# Allegro board pc051b_toplevel_177.brd (continued)
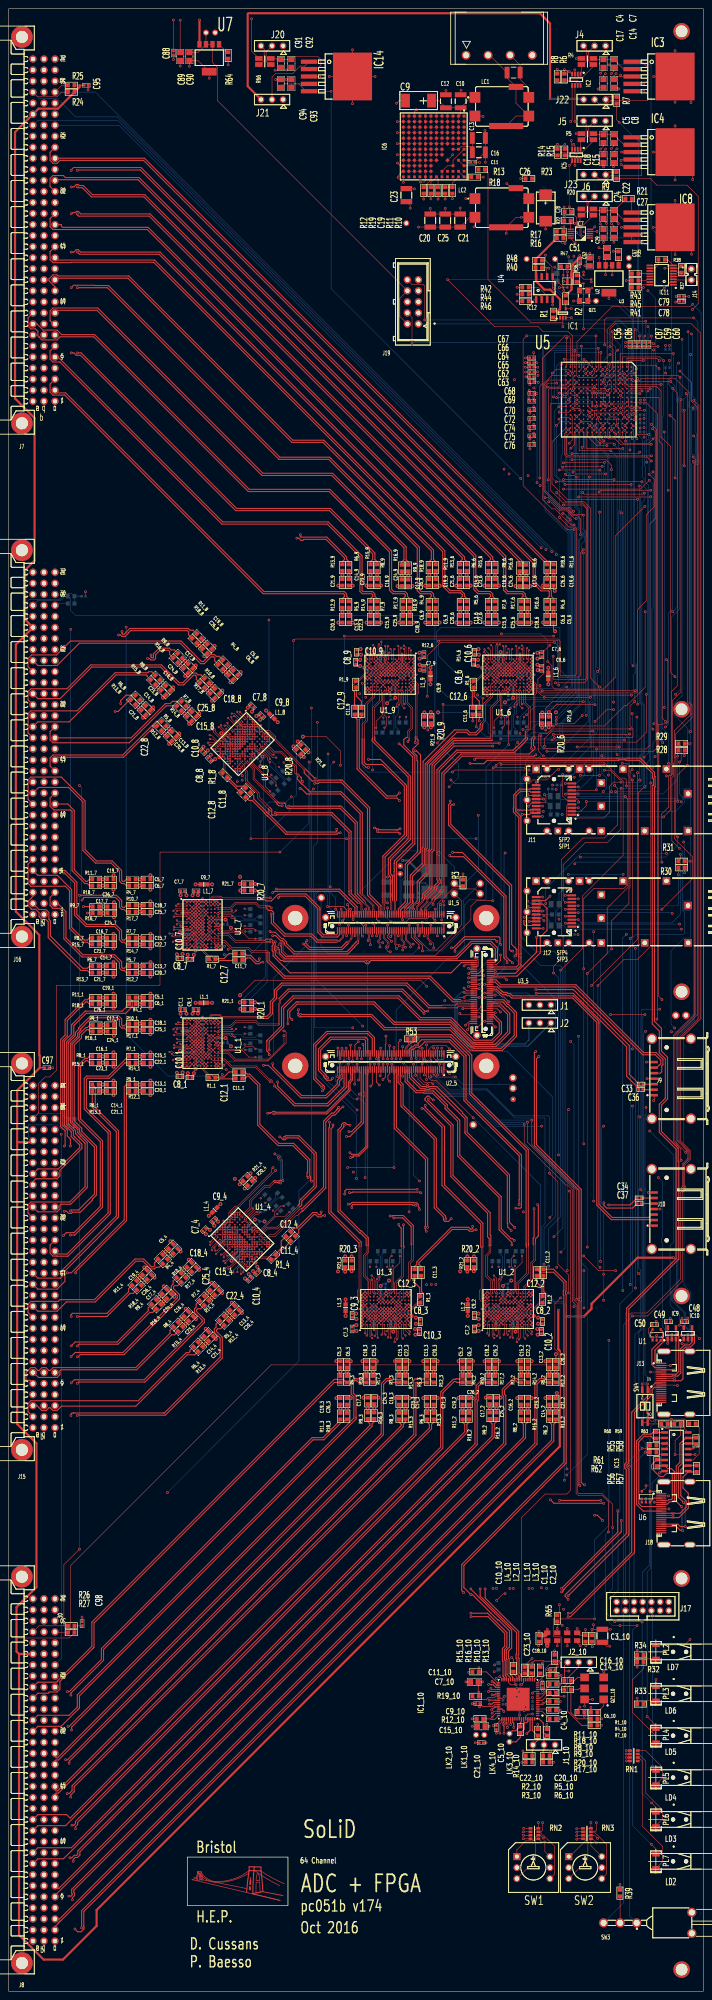
[diagram p0: board, top side]
## Routing (per net, layer and track width the routed paths; a pad name or vN(x,y) marks a point on that pad's centre or on a via; arc(x,y) is an arc through that point) (continued)
  L3 w0.13: 110.25,170.97 110.25,165.94 111.49,164.7 v2(111.75,164.7)
  L3 w0.25: v1(101.93,177.77) 102.1,177.6 102.13,177.6 102.18,177.55 102.18,177.45 102.43,177.2 104.68,177.2 110.08,171.8 110.25,171.8 110.37,171.68 110.37,171.09 110.25,170.97
OUT_P<59>: length 86.5
  TOP w0.13: U1_2.C10 111.45,163.1 111.43,163.12 111.43,163.51 110.25,164.69 110.25,169.2 111.05,170 111.05,171.6
  TOP w0.18: v1(90.25,214.57) U2_5.42
  TOP w0.25: v1(96.65,205.25) 96.65,205.02 102.35,199.32 102.35,187.7 110.9,179.15 110.9,174.05 111.05,173.9 111.05,171.6
  L3 w0.25: v1(90.25,214.57) 90.25,216.75 90.19,216.8 90.19,217.79 90.8,218.4 101.99,218.4 104.3,216.09 104.3,210.85 99.3,205.85 97.25,205.85 v1(96.65,205.25)
OUT_P<60>: length 68.1
  TOP w0.13: U1_2.J7 v2(116.65,158.6)
  TOP w0.25: v1(115.9,171.75) 115.9,172.28 112.94,175.24 112.94,182.66 103.4,192.2 103.4,200.23 100.81,202.82 100.51,203.12 100.51,203.78 97.63,206.66 95.65,206.66 95.55,206.77 93.83,206.77 91.31,209.29 91.31,211.33 91.25,211.39 U2_5.37
  L3 w0.13: v2(116.65,158.6) 116.2,159.04 116.2,159.58 116.47,159.84 116.56,159.84 117.2,160.49 117.2,171.22 116.43,171.22
  L3 w0.25: 116.43,171.22 v1(115.9,171.75)
OUT_P<61>: length 80.3
  TOP w0.13: 119.3,171.22 119.3,165.25 117.05,163 U1_2.K10
  TOP w0.15: 93.35,218.6 93.35,218.49 93.2,218.34 92.89,218.34 92.74,218.19 92.6,218.19 92.34,217.93 92.34,217.78 91.75,217.18 U2_5.36
  TOP w0.25: 93.35,218.6 R53.2 93.35,219.42 93.53,219.6 101.8,219.6 106.17,215.23 106.17,206.47 106.46,206.18 119.18,193.46 119.18,171.97 119.25,171.9 119.2,171.85 119.2,171.32 119.3,171.22
OUT_P<62>: length 68.9
  TOP w0.13: U1_2.L7 v2(117.45,158.6)
  TOP w0.25: U2_5.33 92.25,211.16 92.31,211.1 92.31,210.26 94.87,207.7 95.86,207.7 96.01,207.54 96.89,207.54 97.04,207.7 98.2,207.7 105.1,200.8 105.1,197.86 105.1,197.45 114.85,187.7 114.85,176.74 114.95,176.64 114.95,175.85 v1(115.75,175.05)
  L3 w0.13: v2(117.45,158.6) 118.45,159.6 118.45,162.9 119.75,164.2 119.75,171.8
  L3 w0.25: 119.75,171.8 119,171.8 v1(115.75,175.05)
OUT_P<63>: length 88
  TOP w0.13: U1_2.M8 119.05,159.4 119.05,162 120.65,163.6 120.65,167.5 121.35,168.2 121.35,172.13 121.32,172.15
  TOP w0.25: v1(117.55,181.05) 117.55,182.1 117.6,182.15 117.6,192.24 104.85,204.99 104.85,215.09 101.49,218.45 95.8,218.45 94.7,217.35 94.59,217.35 94.48,217.24 93.75,217.24 93.31,216.8 92.99,216.8 92.85,216.66 92.85,216.64 92.75,216.54 U2_5.32 v1(92.75,214.6) ; v1(121.85,181) 122,180.85 122,173.79 121.32,173.12 121.32,172.15
  L3 w0.25: v1(121.85,181) 121.8,181.05 v1(117.55,181.05)
  BOTTOM w0.25: v1(92.75,214.6) 92.75,215.16 92.7,215.21 R54.2
PGOOD: length 98.1
  TOP w0.13: v1(139.85,368.25) 139.85,371.9 139.6,372.15 138.8,372.15 U5.F3 ; 125.85,384 127.65,384 ; 125.85,384 120.3,384 110.4,393.9 110.4,418.5 R13.1 ; 125.85,384 125.85,384.75 R1.1 ; 127.65,384 IC1.2 ; 127.65,384 v1(127.65,383.04)
  L4 w0.13: v1(147.24,383.04) v1(127.65,383.04) ; v1(147.24,368.23) 146.72,368.75 140.35,368.75 v1(139.85,368.25)
  BOTTOM w0.13: v1(147.24,368.23) 147.24,380.15 147.51,380.43 147.51,382.77 v1(147.24,383.04)
PGOOD3V3: length 72.4
  TOP w0.13: v1(145.9,368.25) 142.9,368.25 U5.B7 ; v1(140.61,430.05) 140.05,430.62 R7.1
  BOTTOM w0.13: v1(140.61,430.05) 145.12,425.55 145.12,381.79 145.75,381.16 145.75,380.69 145.61,380.56 145.61,368.54 v1(145.9,368.25)
PGOOD_5V: length 77.9
  TOP w0.13: v1(129.6,387.2) IC1.4 R2.1 ; R9.1 147.8,417.1 149.3,415.6 156.25,415.6 158.82,413.03 158.82,388.32 v1(157.5,387)
  L4 w0.13: v1(157.5,387) 157.3,387.2 v1(129.6,387.2)
PGOOD_FROM_FPGA: length 188
  TOP w0.13: U5.B6 141.95,369.2 v1(141.95,370.2)
  TOP w0.18: v1(95.3,239.4) 95.3,240.66 93.38,242.58 93.38,243.97 U1_5.29
  L4 w0.13: v1(141.53,256.99) 140.53,257.99 140.53,278.83 140.8,279.1 141.83,279.1 142.86,280.13 142.86,282.22 144.6,283.97 v1(146.35,283.97) ; v1(128.91,256.99) 110.69,256.99 LK2.1 ; v1(144.86,371.11) 143.95,370.2 v1(141.95,370.2)
  BOTTOM w0.13: v1(128.91,256.99) v1(141.53,256.99) ; v1(144.86,371.11) 144.86,358.25 145.95,357.15 145.95,348.4 146.35,348.01 146.35,346.19 147.1,345.44 147.1,298.91 147.37,298.64 147.37,284.99 v1(146.35,283.97) ; LK2.1 104.8,251.1 104.8,244.35 99.85,239.4 v1(95.3,239.4)
POR_I: length 29.4
  TOP w0.13: v1(132.41,382.55) U2.2 131.91,392.98 131.54,393.35 R36.1 ; U5.D3 v1(140.85,372.2)
  BOTTOM w0.13: v1(140.85,372.2) 140.85,378.79 137.09,382.55 v1(132.41,382.55)
POWER_SWITCH_HIGH_OFF: length 419.4
  TOP w0.13: v1(143.67,155.4) 147.15,155.4 155.15,163.4 155.15,183.8 155.96,184.61 155.96,185.23 155.72,185.47 155.72,190.12 156.99,191.39 156.99,193.47 154.8,195.66 154.8,219.25 159.3,223.75 159.3,381.63 157.13,383.8 139.83,383.8 138.5,382.47 v1(138.5,378.47) ; v1(136.95,370.25) 136.95,370.95 137.25,371.25 138.9,371.25 U5.E3
  BOTTOM w0.13: v1(143.67,155.4) 141.6,153.33 141.6,90.54 141.06,90.01 141.06,87.19 141.6,86.66 141.6,20.32 SW3.3 ; v1(136.95,370.25) 137.95,370.25 139.26,371.55 139.26,377.71 v1(138.5,378.47)
POWER_SWITCH_HIGH_ON: length 382.6
  TOP w0.13: v1(142.94,120.84) 143.07,120.97 143.07,155.69 143.46,156.08 146.98,156.08 154.7,163.8 154.7,183.72 155.29,184.31 155.7,184.71 155.7,185.13 155.46,185.37 155.46,190.26 156.73,191.53 156.73,193.36 156.58,193.51 154.4,195.69 154.4,219.4 158.99,223.99 158.99,364.86 v1(157.8,366.05) ; U5.C3 141.9,371.25 v1(141.9,371.2)
  L4 w0.13: v1(157.8,366.05) 156.85,367 150.51,367 148.1,369.41 141.79,369.41 141.45,369.74 141.45,370.76 v1(141.9,371.2)
  BOTTOM w0.13: SW3.1 143.06,17.34 143.06,120.72 v1(142.94,120.84)
PSG: length 132.9
  TOP w0.13: IC6.E8 99.81,423.1 ; IC6.E8 99.81,422.09 ; IC6.E8 100.31,422.6 ; IC6.E8 99.3,422.6 ; IC6.H11 96.5,418.79 ; IC6.H11 96,419.29 ; IC6.H11 96,418.28 ; IC6.E1 100.31,431.49 ; IC6.E1 99.3,431.49 ; IC6.E1 99.81,430.98 ; IC6.E1 99.81,431.99 ; v1(92.5,410.3) 92.5,410.9 C23.1 ; 97.27,424.63 IC6.G6 ; IC6.G6 96.76,425.13 ; IC6.G6 97.77,425.13 ; IC6.G6 97.27,425.64 ; IC6.H5 96.5,426.4 ; IC6.H5 96,426.91 ; IC6.H5 96,425.9 ; v1(104.2,437.45) 104.1,437.35 C10.1 ; IC6.H3 96.5,428.94 ; IC6.H3 96,429.45 ; IC6.H3 96,428.44 ; IC6.G3 97.77,428.94 ; IC6.G3 96.76,428.94 ; IC6.G3 97.27,428.44 ; IC6.G3 97.27,429.45 ; 97.27,420.82 IC6.G9 ; IC6.G9 96.76,421.32 ; IC6.G9 97.77,421.32 ; IC6.G9 97.27,421.83 ; IC6.H4 96,428.18 ; IC6.H4 96,427.17 ; IC6.H4 96.5,427.68 ; 97.27,430.98 IC6.G1 ; IC6.G1 97.27,431.99 ; IC6.G1 96.76,431.49 ; IC6.G1 97.77,431.49 ; 98.53,425.9 IC6.F5 ; IC6.F5 98.03,426.4 ; IC6.F5 99.04,426.4 ; IC6.F5 98.53,426.91 ; v1(94.8,416.3) 95.7,416.3 96,416.6 IC6.H12 96,418.27 ; IC6.F8 98.53,423.1 ; IC6.F8 98.03,422.6 ; IC6.F8 98.53,422.09 ; IC6.F8 99.04,422.6 ; IC6.G7 97.77,423.87 ; IC6.G7 97.27,424.37 ; IC6.G7 97.27,423.36 ; IC6.G7 96.76,423.87 ; 96.76,427.68 IC6.G4 ; IC6.G4 97.27,427.17 ; IC6.G4 97.77,427.68 ; IC6.G4 97.27,428.18 ; 99.3,427.68 IC6.E4 ; IC6.E4 99.81,427.17 ; IC6.E4 99.81,428.18 ; IC6.E4 100.31,427.68 ; 96,419.55 IC6.H10 ; IC6.H10 96,420.56 ; IC6.H10 96.5,420.06 ; IC6.F6 98.53,425.64 ; IC6.F6 98.53,424.63 ; IC6.F6 99.04,425.13 ; IC6.F6 98.03,425.13 ; IC6.F2 99.04,430.21 ; IC6.F2 98.53,430.72 ; IC6.F2 98.03,430.21 ; IC6.F2 98.53,429.71 ; 100.57,430.21 IC6.D2 ; IC6.D2 101.08,429.71 ; IC6.D2 101.08,430.72 ; IC6.D2 101.58,430.21 ; IC6.H1 96.5,431.49 ; IC6.H1 96,430.98 ; IC6.H1 96,431.99 ; IC6.E7 99.81,424.37 ; IC6.E7 99.81,423.36 ; IC6.E7 100.31,423.87 ; IC6.E7 99.3,423.87 ; v1(90.92,416.25) IC6.M12 ; IC6.G8 97.77,422.6 ; IC6.G8 96.76,422.6 ; IC6.G8 97.27,423.1 ; IC6.G8 97.27,422.09 ; IC6.F1 98.53,431.99 ; IC6.F1 98.03,431.49 ; IC6.F1 98.53,430.98 ; IC6.F1 99.04,431.49 ; IC6.D9 101.58,421.32 ; IC6.D9 100.57,421.32 ; IC6.D9 101.08,420.82 ; IC6.D9 102.25,422.5 v1(102.25,422.6) ; IC6.D9 101.08,421.83 ; IC6.G11 97.77,418.79 ; IC6.G11 97.27,418.28 ; IC6.G11 97.27,419.29 ; IC6.G11 96.76,418.79 ; IC6.F7 98.53,424.37 ; IC6.F7 98.03,423.87 ; IC6.F7 99.04,423.87 ; IC6.F7 98.53,423.36 ; v1(109.7,428.2) 109.8,428.1 C13.1 C16.1 ; 100.57,428.94 IC6.D3 ; IC6.D3 101.08,428.44 ; IC6.D3 101.58,428.94 ; IC6.D3 101.08,429.45 ; 96.76,420.06 IC6.G10 ; IC6.G10 97.27,420.56 ; IC6.G10 97.77,420.06 ; IC6.G10 97.27,419.55 ; 101.08,427.17 IC6.D4 ; IC6.D4 100.57,427.68 ; IC6.D4 101.08,428.18 ; IC6.D4 101.58,427.68 ; 101.08,424.63 IC6.D6 ; IC6.D6 101.08,425.64 ; IC6.D6 100.57,425.13 ; IC6.D6 101.58,425.13 ; 99.3,428.94 IC6.E3 ; IC6.E3 99.81,429.45 ; IC6.E3 99.81,428.44 ; IC6.E3 100.31,428.94 ; IC6.D1 101.58,431.49 ; IC6.D1 101.08,430.98 ; IC6.D1 101.08,431.99 ; IC6.D1 100.57,431.49 ; 101.08,425.9 IC6.D5 ; IC6.D5 101.58,426.4 ; IC6.D5 100.57,426.4 ; IC6.D5 101.08,426.91 ; 99.81,429.71 IC6.E2 ; IC6.E2 99.81,430.72 ; IC6.E2 99.3,430.21 ; IC6.E2 100.31,430.21 ; IC6.E6 100.31,425.13 ; IC6.E6 99.81,425.64 ; IC6.E6 99.81,424.63 ; IC6.E6 99.3,425.13 ; 98.03,428.94 IC6.F3 ; IC6.F3 98.53,429.45 ; IC6.F3 98.53,428.44 ; IC6.F3 99.04,428.94 ; 96,422.09 IC6.H8 ; IC6.H8 96.5,422.6 ; IC6.H8 96,423.1 ; 96.76,426.4 IC6.G5 ; IC6.G5 97.27,425.9 ; IC6.G5 97.77,426.4 ; IC6.G5 97.27,426.91 ; R18.1 v1(109.3,417.45) ; IC6.H7 96.5,423.87 ; IC6.H7 96,423.36 ; IC6.H7 96,424.37 ; R19.1 v1(97.25,412.45) ; v1(108.45,420.8) 108.35,420.9 C11.1 109.6,423.15 C16.1 ; IC6.G2 97.27,430.72 ; IC6.G2 97.27,429.71 ; IC6.G2 96.76,430.21 ; IC6.G2 97.77,430.21 ; IC6.H6 96,425.64 ; IC6.H6 96.5,425.13 ; IC6.H6 96,424.63 ; IC6.E5 99.81,426.91 ; IC6.E5 99.81,425.9 ; IC6.E5 100.31,426.4 ; IC6.E5 99.3,426.4 ; 98.03,427.68 IC6.F4 ; IC6.F4 98.53,427.17 ; IC6.F4 98.53,428.18 ; IC6.F4 99.04,427.68 ; IC6.F9 99.04,421.32 ; IC6.F9 98.03,421.32 ; IC6.F9 98.53,420.82 ; IC6.F9 98.53,421.83 ; IC6.H9 96.5,421.32 ; IC6.H9 96,420.82 ; IC6.H9 96,421.83 ; C16.1 v1(109.8,420.85) ; R10.1 v1(102.2,412.5) ; IC6.H2 96.5,430.21 ; IC6.H2 96,429.71 ; IC6.H2 96,430.72 ; v1(107.2,406) 107.4,406.2 LC2.3 106.25,408.2 C21.1 C25.1 C20.1 v1(94.4,405.95) ; v1(109.25,431.4) 109.15,431.5 LC1.3 ; C12.1 v1(100.7,437.4) ; v1(89.35,434.45) 89.95,435.05 C9.2
RESIN: length 227
  TOP w0.13: v1(153.47,302.48) 152.45,303.5 152.45,355.48 150.26,357.67 150.26,368.21 149.23,369.25 142.9,369.25 U5.B5 ; U2_5.17 v1(96.25,209.8)
  L4 w0.13: v1(96.25,209.8) 115.75,209.8 LK7.1 140.61,210.2 146.21,215.8 146.21,221.2 146.41,221.4 151.92,221.4 152.05,221.53 152.05,234.35 157.98,240.28 157.98,297.97 v1(153.47,302.48)
SENSE_1: length 2.6
  TOP w0.13: U1_1.C5 v2(43.85,222.15)
  BOTTOM w0.13: R19_1.2 44.2,222.5 v2(43.85,222.15) 43.9,222.15 R2_1.1
SENSE_2: length 2.6
  TOP w0.13: U1_2.C5 v2(111.05,156.2)
  BOTTOM w0.13: R19_2.2 110.7,156.55 v2(111.05,156.2) 111.05,156.25 R2_2.1
SENSE_3: length 2.6
  TOP w0.13: U1_3.C5 v2(82.9,156.2)
  BOTTOM w0.13: R19_3.2 82.55,156.55 v2(82.9,156.2) 82.9,156.25 R2_3.1
SENSE_4: length 2.6
  TOP w0.13: U1_4.C5 v2(50.41,175.26)
  BOTTOM w0.13: R19_4.2 50.41,175.76 v2(50.41,175.26) 50.44,175.3 R2_4.1
SENSE_6: length 2.6
  TOP w0.13: U1_6.C5 v2(119,303.75)
  BOTTOM w0.13: R2_6.1 119,303.7 v2(119,303.75) 119.35,303.4 R19_6.2
SENSE_7: length 2.6
  TOP w0.13: U1_7.C5 v2(43.85,249.4)
  BOTTOM w0.13: R2_7.1 43.9,249.4 v2(43.85,249.4) 44.2,249.75 R19_7.2
SENSE_8: length 2.6
  TOP w0.13: U1_8.C5 v2(56.11,290.39)
  BOTTOM w0.13: R2_8.1 56.15,290.36 v2(56.11,290.39) 56.61,290.39 R19_8.2
SENSE_9: length 2.6
  TOP w0.13: U1_9.C5 v2(91.85,303.75)
  BOTTOM w0.13: R2_9.1 91.85,303.7 v2(91.85,303.75) 92.2,303.4 R19_9.2
SERV_SCL: length 122.6
  TOP w0.13: v1(124.4,396.5) 124.2,396.7 123.85,396.7 ; IC2.5 129.78,430.57 v1(129.45,430.25) ; 130.5,404.95 130.5,405.3 130.85,405.65 130.85,408.15 R23.1 129.15,409.85 v1(129.15,410.6) ; 130.5,404.95 IC7.7 ; 130.5,404.95 v1(130.8,404.65) ; 123.85,396.7 123.72,396.7 123.62,396.6 R40.1 ; 123.85,396.7 123.85,394.74 IC12.6 ; v1(129.15,420.15) 129.78,420.77 IC5.5 ; v1(140.95,363.2) 141.85,363.2 U5.B11
  L3 w0.13: v1(124.4,396.5) 124.7,396.8 124.7,399.65 129.7,404.65 v1(130.8,404.65) ; v1(129.45,430.25) 129.1,429.9 129.1,420.2 v1(129.15,420.15)
  L4 w0.13: v1(144.6,373.39) 144.96,373.39 145.01,373.44 145.01,374.33 144.96,374.38 v1(138.36,374.38)
  BOTTOM w0.13: v1(144.6,373.39) 144.6,381.95 144.8,382.14 144.8,402.48 143.81,403.46 131.99,403.46 v1(130.8,404.65) ; v1(129.15,420.15) v1(129.15,410.6) ; v1(138.36,374.38) 138.36,371.82 138.16,371.62 136.4,371.62 135.9,371.13 135.9,367.19 139.9,363.2 v1(140.95,363.2)
SERV_SDA: length 100.5
  TOP w0.13: v1(123.65,399.5) 123.65,398.3 ; 123.65,398.3 R48.1 ; 123.65,398.3 125.15,396.8 125.15,394.7 IC12.5 125.31,392.02 v1(125.54,391.79) ; U5.B12 142.8,363.15 143.93,363.15 v1(144.03,363.04) ; IC5.6 v1(130.43,420.15) ; v1(130.35,406.8) 129.75,407.4 R22.1 129.45,405.5 IC7.6 ; IC2.6 v1(130.43,430.25)
  L3 w0.13: v1(130.43,430.25) 130.2,430.03 130.2,425.65 130.65,425.21 130.65,420.37 v1(130.43,420.15) 130.43,406.88 v1(130.35,406.8) 130.35,406.2 v1(123.65,399.5)
  BOTTOM w0.13: v1(125.54,391.79) 129.37,387.96 140.37,387.96 143.6,384.72 143.6,382.72 143.54,382.66 143.54,382.04 143.6,381.98 143.6,363.47 v1(144.03,363.04)
SFP0_RATE_SELECT: length 32.5
  TOP w0.13: R28.2 154.1,285.4 v1(154.1,284.2)
  TOP w0.18: J11.7 v1(131.18,275.53)
  BOTTOM w0.13: v1(154.1,284.2) 154,284.1 154,278.8 150.73,275.53 v1(131.18,275.53)
SFP0_TX_DISABLE: length 41.7
  TOP w0.13: R29.1 154.89,286.46 154.89,283.24 v1(154.5,282.85)
  TOP w0.18: J11.3 v1(131.18,272.33)
  BOTTOM w0.13: v1(131.18,272.33) 132.01,271.5 153.6,271.5 155.67,273.57 155.67,274.09 155.54,274.22 155.42,274.22 155.14,274.5 155.14,274.87 154.5,275.51 v1(154.5,282.85)
SFP1_RATE_SELECT: length 33.2
  TOP w0.13: v1(154.25,256.95) R30.2
  TOP w0.18: J12.7 v1(131.18,249.78)
  BOTTOM w0.13: v1(131.18,249.78) 154.12,249.78 154.25,249.91 v1(154.25,256.95)
SFP1_TX_DISABLE: length 41.7
  TOP w0.13: v1(154.7,261.6) 154.7,260.5 R31.1
  TOP w0.18: J12.3 v1(131.18,246.58)
  BOTTOM w0.13: v1(154.7,261.6) 154.75,261.55 154.75,247.85 152.73,245.83 131.93,245.83 v1(131.18,246.58)
SFP_LOS<0>: length 133.2
  TOP w0.13: v1(140.3,377.65) 139.8,377.15 139.8,373.15 U5.E2 ; J11.8 135.25,276.33 v1(135.4,276.48) ; v1(148.31,359.56) 148.92,358.95 148.92,338.87 147.72,337.67 147.72,286.75 146.81,285.84 v1(135.4,285.84)
  L4 w0.13: v1(140.3,377.65) 148.5,377.65 v1(148.55,377.7)
  BOTTOM w0.13: v1(148.55,377.7) 148.55,359.8 v1(148.31,359.56) ; v1(135.4,276.48) v1(135.4,285.84)
SFP_LOS<1>: length 171.8
  TOP w0.13: v1(146.74,384.3) 139.74,384.3 137.85,382.41 v1(137.85,373.2) ; U5.H2 v1(136.85,373.2) ; v1(141.03,276.85) 141.03,267.45 137.92,264.34 132.82,264.34 127.72,259.24 127.72,251.08 v1(128.22,250.58)
  TOP w0.18: J12.8 v1(128.22,250.58)
  L4 w0.13: v1(136.85,373.2) v1(137.85,373.2)
  BOTTOM w0.13: v1(146.74,384.3) 146.74,381.68 147.26,381.16 147.26,380.54 146.74,380.02 146.74,368.03 146.95,367.82 146.95,358.5 146.9,358.46 146.9,357.13 146.45,356.68 146.45,351 146.65,350.8 146.65,347.25 147.4,346.5 147.4,298.98 147.63,298.75 147.63,283.31 147,282.68 147,277.04 146.71,276.75 141.13,276.75 v1(141.03,276.85)
SFP_PRESENT<0>: length 152.4
  TOP w0.13: v1(152.97,368.8) 154,367.77 154,300.4 152.61,299.01 152.61,282.73 152.86,282.49 152.86,280.02 152.73,279.89 152.62,279.89 152.49,279.76 152.49,271.87 v1(150.85,270.23) ; v1(131.28,273.63) 131.28,273.93 130.48,274.73 J11.6 ; U5.D2 140.85,373.2 140.85,376.72 140.98,376.85 v1(153.1,376.85)
  BOTTOM w0.13: v1(152.97,368.8) 152,369.77 152,370.61 153.1,371.7 v1(153.1,376.85) ; v1(150.85,270.23) 130.9,270.23 130,271.13 130,272.34 v1(131.28,273.63)
SFP_PRESENT<1>: length 169.8
  TOP w0.13: v1(150.47,248.98) 157.45,255.95 157.45,261.13 153.34,265.23 153.34,274.09 153.45,274.2 153.45,283.78 153.34,283.89 153.34,290.04 157.13,293.83 157.13,295.88 156.3,296.71 156.3,367.4 v1(156.05,367.65) ; U5.G3 v1(137.85,372.2)
  TOP w0.18: J12.6 v1(128.22,248.98)
  L4 w0.13: v1(156.05,367.65) 152,371.7 138.35,371.7 v1(137.85,372.2)
  BOTTOM w0.13: v1(150.47,248.98) v1(128.22,248.98)
SFP_SCL<0>: length 99.3
  TOP w0.13: v1(127.62,279.99) 127.62,275.01 128.7,273.93 J11.5 ; U5.E16 v1(139.85,358.3)
  BOTTOM w0.13: v1(127.62,279.99) 130.06,279.99 130.4,280.34 130.4,282.74 134.05,286.39 134.05,296.3 134.99,297.24 134.99,303.89 135.16,304.07 135.16,358.19 135.71,358.73 135.71,360.46 136.24,361 137.86,361 139.85,359.01 v1(139.85,358.3)
SFP_SCL<1>: length 146.1
  TOP w0.13: U5.G16 137.4,357.72 v1(137.47,357.64)
  TOP w0.18: J12.5 v1(131.18,248.18)
  L4 w0.13: v1(137.47,357.64) 137.47,357.27 141.65,353.09 141.65,298.73 142.93,297.45 152.73,297.45 152.86,297.32 v1(152.86,248.03)
  BOTTOM w0.13: v1(152.86,248.03) 152.71,248.18 v1(131.18,248.18)
SFP_SDA<0>: length 113.5
  TOP w0.13: J11.4 128.91,273.13 128.51,272.73 128.51,270.37 128.9,269.97 137.08,269.97 138.34,271.24 138.34,277.23 139.34,278.23 v1(141.03,278.23) ; U5.F16 138.4,357.81 v1(138.5,357.71)
  L4 w0.13: v1(145.25,346.4) 144.89,346.76 144.89,353.91 143.1,355.7 140.51,355.7 v1(138.5,357.71)
  BOTTOM w0.13: v1(141.03,278.23) 141.06,278.2 145.56,278.2 145.85,278.49 145.85,283.05 145.34,283.55 145.34,284.39 145.8,284.85 145.8,295.98 145.34,296.44 145.34,296.87 145.34,346.31 v1(145.25,346.4)
SFP_SDA<1>: length 122.1
  TOP w0.13: v1(137.1,356.75) 136.4,357.45 U5.H16
  TOP w0.18: J12.4 v1(128.22,247.38)
  L4 w0.13: v1(138.15,279.85) 137.53,280.48 136.07,280.48 134.22,278.62 134.22,272.5 132.6,270.88 132.6,247.93 132.05,247.38 v1(128.22,247.38)
  BOTTOM w0.13: v1(138.15,279.85) 138.26,279.96 138.26,353.44 137.1,354.6 v1(137.1,356.75)
SFP_TX_FAULT<0>: length 165.1
  TOP w0.13: v1(156.3,282.11) 154.1,279.91 v1(154.1,273.78) ; J11.2 131.78,271.53 133.05,272.81 v1(133.05,273.78) ; U5.F2 139,373.35 v1(139,381.86)
  L4 w0.13: v1(156.48,381.86) 156.47,381.85 144.09,381.85 144.08,381.86 v1(139,381.86)
  BOTTOM w0.13: v1(133.05,273.78) v1(154.1,273.78) ; v1(156.3,282.11) 156.3,289.53 156.29,289.54 156.29,290.16 156.3,290.17 156.3,290.68 152.87,294.12 152.87,295.88 155.1,298.12 155.1,351.21 155.5,351.6 155.5,363.2 155.1,363.59 155.1,364.01 155.5,364.4 155.5,366.4 156.55,367.44 156.55,381.8 v1(156.48,381.86)
SFP_TX_FAULT<1>: length 189.9
  TOP w0.13: U5.H3 136.76,372.12 v1(136.85,372.12)
  TOP w0.18: J12.2 v1(128.22,245.78)
  L4 w0.13: v1(157.05,376.64) 156.77,376.35 138.78,376.35 v1(138.5,376.64) ; v1(154.53,245.57) 153.38,246.72 153.38,286.18 v1(157.05,289.85)
  BOTTOM w0.13: v1(136.85,372.12) 136.01,372.95 136.01,374.15 v1(138.5,376.64) ; v1(157.05,289.85) 157.34,290.14 157.34,293.96 157.39,294.01 157.39,295.99 157.34,296.04 157.34,297.57 157.31,297.6 157.31,351.37 157.49,351.55 157.91,351.55 158.2,351.84 158.2,352.26 158.15,352.31 158.15,353.26 157.86,353.55 157.44,353.55 157.31,353.68 157.31,357.69 157.3,357.69 157.3,358.11 157.31,358.11 157.31,363.59 157.48,363.76 157.81,363.76 158.11,364.05 158.11,364.46 157.81,364.76 157.4,364.76 157.11,364.46 156.78,364.46 156.7,364.54 156.7,365.67 157.05,366.02 v1(157.05,376.64) ; v1(128.22,245.78) 128.42,245.57 v1(154.53,245.57)
SPI_CSN_FROM_FPGA: length 213.2
  TOP w0.13: v1(113.4,282.35) 136.87,282.35 v1(137.11,282.1) ; v1(128.22,349.08) 128.53,348.77 130.32,348.77 130.7,349.15 v1(137.5,349.15) ; U5.H1 v1(136.4,377.13) ; v1(107.85,221.69) 108.84,222.68 108.84,224.78 108.42,225.2 U3_5.50
  L4 w0.13: v1(125.46,366.87) 125.46,350.14 126.52,349.08 v1(128.22,349.08)
  BOTTOM w0.13: v1(137.5,349.15) 137.5,284.12 137.11,283.73 v1(137.11,282.1) ; v1(136.4,377.13) 136.34,377.07 125.8,377.07 125.75,377.02 125.75,367.16 v1(125.46,366.87) ; v1(113.4,282.35) 113.4,241.6 112.85,241.06 112.85,239.62 107.85,234.62 v1(107.85,221.69)
SPI_SCK_FROM_FPGA: length 178.5
  TOP w0.13: U1_5.96 76.75,248.8 v1(76.57,248.98) ; U5.A6 147.75,368.75 v1(147.76,368.75)
  L4 w0.13: v1(148.66,291.67) 138.31,291.67 130.05,283.41 130.05,280.31 129.18,279.43 129.18,275.36 123.65,269.83 120.38,269.83 119.83,270.38 118.97,270.38 118.42,269.83 104.43,269.83 83.09,248.49 77.06,248.49 v1(76.57,248.98)
  BOTTOM w0.13: v1(148.66,291.67) 148.68,291.69 148.68,348.66 147.51,349.83 147.51,356.98 147.9,357.37 147.9,358.46 147.51,358.84 147.51,365.72 147.76,365.97 v1(147.76,368.75)
SPI_SDI_FROM_FPGA: length 193.5
  TOP w0.13: v1(152.5,370.4) 152.45,370.35 143.8,370.35 U5.A4 ; v1(76.21,245.52) 76.25,245.57 U1_5.98
  L4 w0.13: v1(151.28,290.91) 138.62,290.91 130.31,282.6 130.31,279.95 130.21,279.85 130.01,279.85 129.43,279.27 129.43,269.73 127.99,268.28 103.91,268.28 98.02,262.4 97.84,262.4 97.55,262.11 97.55,261.93 83.47,247.85 79.17,247.85 76.85,245.52 v1(76.21,245.52)
  BOTTOM w0.13: v1(151.28,290.91) 152.01,291.65 152.01,317.23 152.85,318.06 152.85,367.98 153.47,368.59 153.47,369.43 v1(152.5,370.4)
SPI_SDO_FROM_ADC: length 186.3
  TOP w0.13: v1(108.91,226.54) 108.06,225.7 U3_5.48 ; v1(150.29,369.75) 143.4,369.75 U5.A5
  L4 w0.13: v1(150.65,287.34) 135.67,287.34 134.75,286.41 134.75,280.66 132.04,277.95 132.04,266.16 127.81,261.93 v1(114.34,261.93)
  BOTTOM w0.13: v1(114.34,261.93) 114.11,261.7 114.11,235.27 108.91,230.07 v1(108.91,226.54) ; v1(150.65,287.34) 150.26,287.72 150.26,369.71 v1(150.29,369.75)
SYNC_3V3: length 134.5
  TOP w0.13: U2_5.90 78.25,214.77 v1(78.4,214.62) ; v1(154.47,153.28) 154.92,153.28 IC10.5
  L4 w0.13: v1(80.75,206.44) 80.65,206.44 79.75,205.54 79.75,202.59 84.39,197.95 v1(147.66,197.95)
  BOTTOM w0.13: v1(147.66,197.95) 153.2,192.41 153.2,172.47 152.35,171.62 152.35,161.1 152.35,161.1 152.35,160.67 152.35,157.91 154.47,155.79 v1(154.47,153.28) ; v1(78.4,214.62) 78.4,214.16 81.36,211.2 81.36,207.04 v1(80.75,206.44)
SYNC_IN_N: length 19
  TOP w0.25: IC10.4 157.4,151.45 157.95,150.9 157.95,149.15 157.03,148.24 155.89,148.24 155.31,147.66 155.31,140.93 154.89,140.5 153.64,140.5 153.58,140.44 153.12,140.44 153.06,140.5 J13.9
SYNC_IN_P: length 14.4
  TOP w0.25: J13.7 152.78,141.5 152.88,141.61 153.57,141.61 153.61,141.56 154.11,141.56 154.81,142.27 154.81,147.87 155.68,148.74 156.78,148.74 157.4,149.35 IC10.3
TCK: length 365.1
  TOP w0.13: U5.P12 v1(130.85,362.3) ; U2_5.100 75.83,215.88 v1(75.83,217.06) ; v1(138.84,350.15) 138.84,351.16 137.6,352.4 v1(129.75,352.4) ; v1(138.65,224.75) v1(146.55,224.75) ; R62.2 v1(146.65,124.05)
  L4 w0.13: v1(138.84,276.03) 138.38,275.57 138.38,225.02 v1(138.65,224.75) 138.6,224.7 108.14,224.7 107.89,224.45 77.15,224.45 75.83,223.13 v1(75.83,217.06) ; v1(130.85,362.3) 130.03,361.48 130.03,356.32 130.3,356.05 130.3,352.95 v1(129.75,352.4)
  BOTTOM w0.13: v1(146.55,224.75) 145.9,224.1 145.9,201.72 146.09,201.53 146.09,200.9 145.9,200.72 145.9,184.82 146.1,184.63 146.1,184.22 145.9,184.02 145.9,152.33 145.15,151.58 145.15,127.68 146.65,126.18 v1(146.65,124.05) 144.05,121.45 J17.6 ; v1(138.84,350.15) v1(138.84,276.03)
TEMP_ALARM_I: length 26.9
  TOP w0.13: U5.B2 142.8,373.15 142.8,375.12 142.93,375.25 v1(146.17,375.25) ; v1(146.17,392.05) R41.1 145.68,392.68 IC11.16
  BOTTOM w0.13: v1(146.17,392.05) 146.05,391.93 146.05,375.37 v1(146.17,375.25)
TEMP_ALARM_LED_O: length 361.4
  TOP w0.13: v1(147.06,63.19) 149.1,61.16 LD5.1 ; v1(140.85,371.2) 141.3,370.75 U5.C4
  L4 w0.13: v1(141.35,381.37) 141.38,381.4 146.76,381.4 146.79,381.37 v1(157.25,381.37)
  BOTTOM w0.13: v1(157.25,381.37) 157.55,381.07 157.55,367 158.3,366.26 158.3,365.49 158.1,365.29 158.1,364.84 158.36,364.57 158.36,363.95 158.11,363.69 158.11,358.79 158.48,358.41 158.48,353.65 158.66,353.47 158.66,352.52 158.71,352.43 158.71,351.63 158.48,351.4 158,350.91 158,223.45 153.89,219.34 153.89,162.27 152.61,160.99 152.61,160.78 152.61,160.78 152.61,159.01 155.64,155.98 155.64,152.92 157.01,151.55 157.01,150.55 156.46,150 151.32,150 148.9,147.58 148.9,131.5 149,131.41 149,130.99 147.9,129.9 147.9,112.82 147.79,112.71 147.79,97.24 147.06,96.51 v1(147.06,63.19) ; v1(140.85,371.2) 141.35,371.7 v1(141.35,381.37)
TEMP_SCL: length 2.8
  TOP w0.13: R45.1 146.76,393.65 147.06,393.95 IC11.14
TEMP_SDA: length 2.7
  TOP w0.13: R43.1 147.67,395.25 IC11.12
TMS: length 448.4
  TOP w0.13: v1(145.9,124.95) 147,124.95 R61.2 ; U2_5.94 v1(77.25,214.07) ; U5.N12 131.8,363.15 131.8,363.95 131.5,364.25 v1(129.95,364.25) ; v1(145.35,354.15) 145,353.8 v1(129.75,353.8) ; v1(151.52,306.4) 151.82,306.09 151.82,291.96 151.53,291.67 149.72,291.52 149.72,228.94 v1(150.47,228.19)
  L4 w0.13: v1(145.33,201.22) 119.42,201.22 118.7,200.5 82.55,200.5 v1(80.25,202.8) ; v1(145.35,354.15) 145.35,347.09 145.84,346.61 145.84,312.08 v1(151.52,306.4) ; v1(150.47,228.19) 150.47,222.78 149.35,221.66 145.99,221.66 145.69,221.36 145.69,217.36 144.09,215.75 121.19,215.75 120.77,216.18 82.16,216.18 80.75,214.77 80.75,214.27 80.55,214.07 79.89,214.07 79.4,213.57 78.99,213.57 78.49,214.07 v1(77.25,214.07) ; v1(129.75,353.8) 130,354.05 130,355.99 129.71,356.28 129.71,364.01 v1(129.95,364.25)
  BOTTOM w0.13: J17.4 142.05,121.1 v1(145.9,124.95) 144.25,126.6 144.25,151.05 145.6,152.4 145.6,166 145.1,166.5 145.1,184.63 145.33,184.86 v1(145.33,201.22) ; v1(77.25,214.07) 77.25,213.8 74.8,211.35 73.3,211.35 72.75,210.8 72.75,210.1 74.13,208.72 74.33,208.72 v1(80.25,202.8)
TRIG_3V3: length 132.7
  TOP w0.13: v1(75.75,210.49) U2_5.99 ; IC9.5 151.8,152.7 v1(151.8,151.69)
  L4 w0.13: v1(149.65,187.24) v1(82.1,187.24)
  BOTTOM w0.13: v1(151.8,151.69) 150.64,152.86 150.64,172.12 150.42,172.34 150.42,173.26 150.64,173.48 150.64,186.25 v1(149.65,187.24) ; v1(82.1,187.24) 82.1,204.21 75.82,210.49 v1(75.75,210.49)
